# Altium PCB P22296-1-DES-1.2.PcbDoc (part 2 of 5)
Units mm, origin at the board's own origin, x right, y up, seen from the top; angles counter-clockwise.
Board outline 77.01 x 108 mm, 6 copper layers (Top Layer, Layer 1, Layer 2, Layer 3, Layer 4, Bottom Layer), stack 1.821 mm thick; 445 components, 260 nets, 1371 pads, 965 vias.
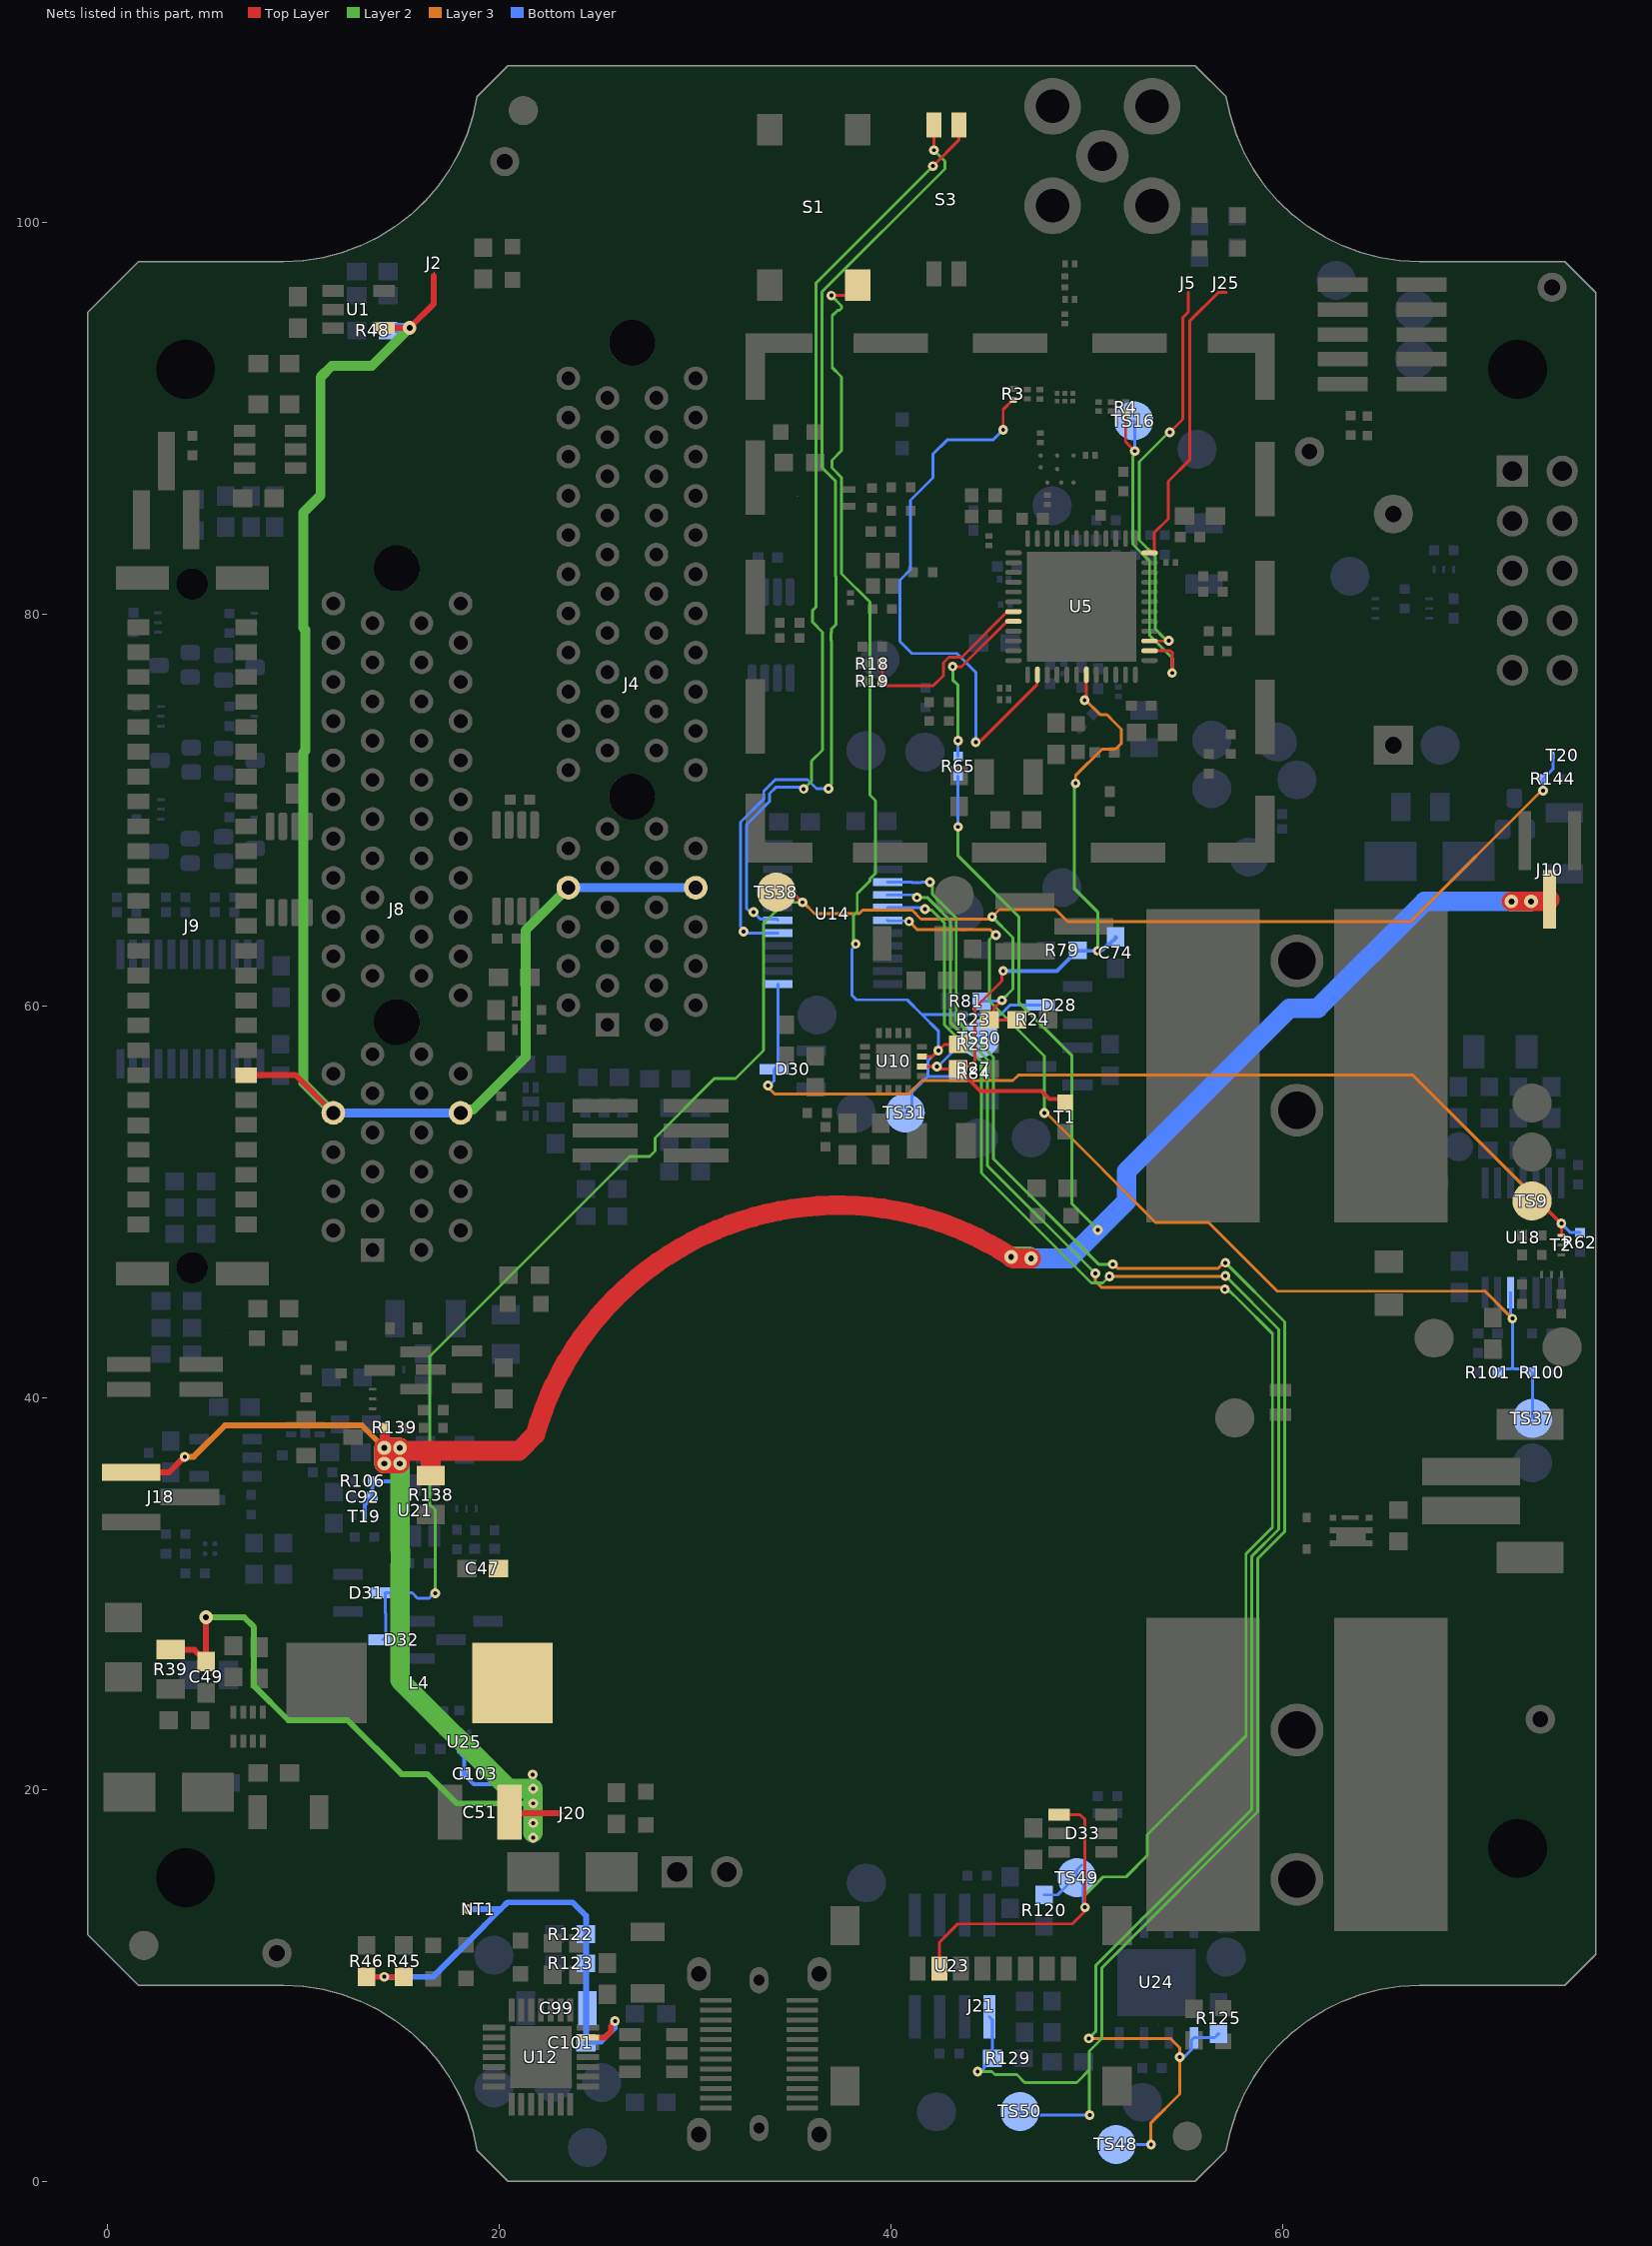
[diagram p6: the nets of this part, all layers, seen from the top]

## Footprints (in the part's own frame and the unit in brackets; to place one, negate y for a bottom-side part, rotate by r counter-clockwise, add the part's x,y. Pads: shape width x height; smd on the part's side, far side on the other; paste and mask are expansions set on the pad) (continued)
QFN-500G000-016 [mm] "QFN, 16-Leads, Body 3,00x3,00mm"
  rect 0.52x0.3 smd: 1(-1.45,0.75) 2(-1.45,0.25) 3(-1.45,-0.25) 4(-1.45,-0.75) 9(1.45,-0.75) 10(1.45,-0.25) 11(1.45,0.25) 12(1.45,0.75)
  rect 0.3x0.52 smd: 5(-0.75,-1.45) 6(-0.25,-1.45) 7(0.25,-1.45) 8(0.75,-1.45) 13(0.75,1.45) 14(0.25,1.45) 15(-0.25,1.45) 16(-0.75,1.45)
  rect 1.8x1.8 smd: 17(0,0)
  silkscreen extent -2.45,-1.68 1.68,1.68, body extent -1.53,-1.53 1.53,1.53, height 0.9
QFN-500G000-048 [mm] "UFQFN, 48-Leads, Body 7,00x7,00mm, Pitch 0,50mm, Thermal Pad 5,60x5,60mm, IPC Medium Density"
  oval 0.85x0.25 smd mask+0.088: 1(-3.475,2.75) 2(-3.475,2.25) 3(-3.475,1.75) 4(-3.475,1.25) 5(-3.475,0.75) 6(-3.475,0.25) 7(-3.475,-0.25) 8(-3.475,-0.75) 9(-3.475,-1.25) 10(-3.475,-1.75) 11(-3.475,-2.25) 12(-3.475,-2.75) 25(3.475,-2.75) 26(3.475,-2.25) 27(3.475,-1.75) 28(3.475,-1.25) 29(3.475,-0.75) 30(3.475,-0.25) 31(3.475,0.25) 32(3.475,0.75) 33(3.475,1.25) 34(3.475,1.75) 35(3.475,2.25) 36(3.475,2.75)
  oval 0.25x0.85 smd mask+0.088: 13(-2.75,-3.475) 14(-2.25,-3.475) 15(-1.75,-3.475) 16(-1.25,-3.475) 17(-0.75,-3.475) 18(-0.25,-3.475) 19(0.25,-3.475) 20(0.75,-3.475) 21(1.25,-3.475) 22(1.75,-3.475) 23(2.25,-3.475) 24(2.75,-3.475) 37(2.75,3.475) 38(2.25,3.475) 39(1.75,3.475) 40(1.25,3.475) 41(0.75,3.475) 42(0.25,3.475) 43(-0.25,3.475) 44(-0.75,3.475) 45(-1.25,3.475) 46(-1.75,3.475) 47(-2.25,3.475) 48(-2.75,3.475)
  rect 5.6x5.6 smd paste-2539.97 mask+0.088: 49(0,0)
  silkscreen extent -4.47,-3.7 3.7,3.7, body extent -3.55,-3.55 3.55,3.55, height 0.6
RES-000G001-002 [mm] "R0201 reflow"
  rect 0.32x0.36 smd mask+0.05: 1(-0.28,0) 2(0.28,0)
  silkscreen extent -0.15,-0.25 0.15,0.25, body extent -0.3,-0.15 0.3,0.15, height 0.15
RESC1005X04N [mm] "0402 Chip Resistor, 2-Leads, Body 1,02x0,5mm, IPC Medium Density"
  rect 0.5x0.5 smd: 1(-0.5,0) 2(0.5,0)
  silkscreen extent -0.4,-0.3 0.4,0.3, body extent -0.51,-0.25 0.51,0.25, height 0.37
RESC1005x04N [mm] "0402 Chip Resistor, 2-Leads, Body 1,02x0,5mm, IPC Medium Density"
  rect 0.5x0.5 smd: 1(-0.5,0) 2(0.5,0)
  silkscreen extent -0.4,-0.3 0.4,0.3, body extent -0.51,-0.25 0.51,0.25, height 0.37
RESC1608X13N [mm] "0603 Chip Resistor, Body 1,60x0,80mm, IPC Medium Density"
  rect 0.95x0.9 smd: 1(-0.8,0) 2(0.8,0)
  silkscreen extent -0.5,-0.52 0.5,0.52, body extent -0.8,-0.4 0.8,0.4, height 0.47
RESC2013X14M [mm] "0805 Chip Resistor, 2-Leads, Body 2,00x1,30mm, IPC Low Density"
  rect 1.15x1.45 smd: 1(-1.1,0) 2(1.1,0)
  silkscreen extent -0.7,-0.85 0.7,0.85, body extent -1,-0.63 1,0.63, height 0.52
RESC2013X14N [mm] "0805 Chip Resistor 2-Leads, Body 2,00x1,30mm, IPC Medium Density"
  rect 1x1.45 smd: 1(-1,0) 2(1,0)
  silkscreen extent -0.7,-0.85 0.7,0.85, body extent -1,-0.62 1,0.63, height 0.52
RESC3116X13L [mm] "1206 Chip Resistor, Body 3.2x1.6mm, IPC High Density"
  rect 1.1x1.7 smd: 1(-1.35,0) 2(1.35,0)
  silkscreen extent -0.9,-0.95 0.9,0.95, body extent -1.6,-0.8 1.6,0.8, height 0.62
RESC3116X13N [mm] "1206 Chip Resistor, Body 3,10x1,60mm, IPC Medium Density"
  rect 1x1.9 smd: 1(-1.55,0) 2(1.55,0)
  silkscreen extent -0.9,-0.95 0.9,0.95, body extent -1.6,-0.8 1.6,0.8, height 0.62
SHLD-000G000 [mm] "shield"
  rect 1x3.41 smd: 1(-13.005,11.8) 1(-13.005,-11.8) 1(13.005,11.7) 1(13.005,-11.8)
  rect 1x3.8 smd: 1(-13.005,-6.074) 1(-13.005,0.002) 1(-13.005,6.079) 1(13.005,-6.136) 1(13.005,-0.039) 1(13.005,6.058)
  rect 3.41x1 smd: 1(-11.8,13.005) 1(-11.8,-13.005) 1(11.8,13.005) 1(11.8,-13.005)
  rect 3.8x1 smd: 1(-6.086,-13.005) 1(-6.024,13.005) 1(0.011,-13.005) 1(0.052,13.005) 1(6.108,-13.005) 1(6.129,13.005)
  silkscreen extent -13.8,-13.8 14.32,13.8, body extent -13.11,-13.11 13.11,13.11, height 5.08
SMD-000G001-002 [mm] "Footprint voor ALS-PT19-315C/L177/TR8"
  rect 0.8x0.8 smd: 1(-0.75,0) 2(0.75,0)
  silkscreen extent -1.55,-0.6 1.1,0.8, body extent -0.85,-0.4 0.85,0.4, height 0.56
SODFL16080X62N [mm] "SOD-523"
  rect 0.5x0.6 smd: A(0.7,0) C(-0.7,0)
  silkscreen extent -1.1,-0.45 0.6,0.45, body extent -0.85,-0.45 0.85,0.45, height 0.73
"Solderbridge NC" [mil] "Solderbridge - Normally Connected"
  round 1 smd mask+0: 1(-18.7,0) 2(18.7,0)
  Top Layer region: -6.06,-3.93 6.73,-3.93 6.73,3.94 -6.06,3.94
  Top Layer region: -3.94,-29.53 -16.75,-26.6 -27.02,-18.41 -32.72,-6.57 -32.72,6.57 -27.02,18.41 -16.75,26.6 -3.94,29.53 -3.94,29.53
  Top Layer region: 3.94,29.53 16.75,26.6 27.02,18.41 32.72,6.57 32.72,-6.57 27.02,-18.41 16.75,-26.6 3.94,-29.53 3.94,-29.53
"Solderbridge NO" [mil] "Solderbridge - Normally Open"
  round 1 smd mask+4: 1(-18.7,0) 2(18.7,0)
  Top Layer region: 3.94,29.53 16.75,26.6 27.02,18.41 32.72,6.57 32.72,-6.57 27.02,-18.41 16.75,-26.6 3.94,-29.53 3.94,-29.53
  Top Layer region: -3.94,-29.53 -16.75,-26.6 -27.02,-18.41 -32.72,-6.57 -32.72,6.57 -27.02,18.41 -16.75,26.6 -3.94,29.53 -3.94,29.53
SON127P500X600X60-9N [mm]
  rrect25% 1.1x0.44 smd: 1(-2.815,1.905) 2(-2.815,0.635) 3(-2.815,-0.635) 4(-2.815,-1.905) 5(2.815,-1.905) 6(2.815,-0.635) 7(2.815,0.635) 8(2.815,1.905)
  rect 3.4x4 smd paste-3: 9(0,0)
  silkscreen extent -4.21,-2.5 3,2.5, body extent -3,-2.5 3,2.5, height 0.6
SOP-120G001-008 [mm] "SO8 150mil reflow"
  rect 2.2x0.6 smd: 1(-2.6,1.905) 2(-2.6,0.635) 3(-2.6,-0.635) 4(-2.6,-1.905) 5(2.6,-1.905) 6(2.6,-0.635) 7(2.6,0.635) 8(2.6,1.905)
  silkscreen extent -2.82,-2.5 1.1,3, body extent -3.1,-2.5 3.1,2.5, height 1.75
SOP-650G001-014 [mm] "TSOP, 16-Leads, Body 5,00x4,40mm, Pitch 0,65mm, IPC Medium Density"
  rect 1.6x0.35 smd: 1(-2.8,1.95) 2(-2.8,1.3) 3(-2.8,0.65) 4(-2.8,0) 5(-2.8,-0.65) 6(-2.8,-1.3) 7(-2.8,-1.95) 9(2.8,-1.3) 10(2.8,-0.65) 11(2.8,0) 12(2.8,0.65) 13(2.8,1.3) 14(2.8,1.95)
  rect 1.6x0.35 smd paste+0: 8(2.8,-1.95)
  silkscreen extent -2.25,-2.55 2.25,3.5, body extent -3.2,-2.5 3.2,2.5, height 1.1
SOP-650001-024 [mm] "TSSOP24 P0.65 7.8x4.4"
  rect 1.5x0.4 smd mask+0.05: 1(-2.8,3.575) 2(-2.8,2.925) 3(-2.8,2.275) 4(-2.8,1.625) 5(-2.8,0.975) 6(-2.8,0.325) 7(-2.8,-0.325) 8(-2.8,-0.975) 9(-2.8,-1.625) 10(-2.8,-2.275) 11(-2.8,-2.925) 12(-2.8,-3.575) 13(2.8,-3.575) 14(2.8,-2.925) 15(2.8,-2.275) 16(2.8,-1.625) 17(2.8,-0.975) 18(2.8,-0.325) 19(2.8,0.325) 20(2.8,0.975) 21(2.8,1.625) 22(2.8,2.275) 23(2.8,2.925) 24(2.8,3.575)
  silkscreen extent -3.65,-3.9 2.2,4.55, body extent -3.2,-3.94 3.2,3.95, height 1.15
SOP-650002-008 [mm] "SSOP8  P0.65 3x3"
  rrect50% 1.4x0.45 smd: 1(-2.2,0.975) 2(-2.2,0.325) 3(-2.2,-0.325) 4(-2.2,-0.975) 5(2.2,-0.975) 6(2.2,-0.325) 7(2.2,0.325) 8(2.2,0.975)
  silkscreen extent -2.32,-1.55 1.5,1.87, body extent -2.5,-1.5 2.5,1.5, height 0.92
SOT95P245X110-3N [mm] "SOT23, 3-Leads, Body 2,90x2,45mm, Pitch 0,95mm, IPC Medium Density"
  rect 1.5x0.55 smd: A(-0.95,0.95) C(0.95,0) NC(-0.95,-0.95)
  silkscreen extent 0.2,-1.5 0.7,1.5, body extent -1.39,-1.5 1.25,1.5, height 1.08
SOT95P245X110_GSD-3N [mm] "SOT23, 3-Leads, Body 3,0x2,6mm (max), Pitch 0,95mm, IPC Medium Density"
  rect 1.55x0.55 smd: D(0.925,0) G(-0.925,0.95) S(-0.925,-0.95)
  silkscreen extent 0.3,-1.5 0.7,1.5, body extent -1.32,-1.5 1.32,1.5, height 1.08
SOT95P280X110-6N [mm] "SOT23, 6-Leads, Body 2.9x1.7mm, Pitch 0.95mm, Lead Span 2.8mm, IPC Medium Density"
  rect 1.1x0.65 smd: 1(-1.2,0.95) 2(-1.2,0) 3(-1.2,-0.95) 4(1.2,-0.95) 5(1.2,0) 6(1.2,0.95)
  silkscreen extent -1.33,-1.55 0.5,1.95, body extent -1.4,-1.46 1.4,1.46, height 1.4
SOT95P280X115-5N [mm] "SOT23, 5-Leads, Body 2,92x2,80mm, Pitch 0,95mm, IPC Medium Density"
  rect 1x0.55 smd: 1(-1.35,0.95) 2(-1.35,0) 3(-1.35,-0.95) 4(1.35,-0.95) 5(1.35,0.95)
  silkscreen extent -0.85,-1.51 0.85,1.51, body extent -1.5,-1.51 1.5,1.51, height 1.15
SOT95P280X145-6N [mm] "SOT23, 6-Leads, Body 2,90x2,80mm, Pitch 0,95mm, IPC Medium Density"
  rect 1.1x0.6 smd: 1(-1.2,0.95) 2(-1.2,0) 3(-1.2,-0.95) 4(1.2,-0.95) 5(1.2,0) 6(1.2,0.95)
  silkscreen extent -1.33,-1.55 0.5,1.92, body extent -1.45,-1.53 1.45,1.53, height 1.3
SOT95P300X145-5N [mm] "SOT23, 5, 3.05x1.75mm, P0.95mm, IPC Medium Density"
  rect 1.1x0.6 smd mask+0.05: 1(-1.3,0.95) 2(-1.3,0) 3(-1.3,-0.95) 4(1.3,-0.95) 5(1.3,0.95)
  silkscreen extent -0.85,-1.51 0.85,1.51, body extent -1.4,-1.45 1.4,1.45, height 1.2
SOT95P300X145-6N [mm] "SOT23, 6, 3.05x1.75mm, P0.95mm, IPC Medium Density"
  rect 1.1x0.6 smd mask+0.05: 1(-1.3,0.95) 2(-1.3,0) 3(-1.3,-0.95) 4(1.3,-0.95) 5(1.3,0) 6(1.3,0.95)
  silkscreen extent -1.85,-1.55 1.65,2.13, body extent -1.4,-1.45 1.4,1.45, height 1.2
SOT-650G001-003 [mm] "SOT323, 3-Leads, Body 2,10x1,3mm, Pitch 0,65mm, IPC Medium Density"
  rrect50% 1x0.8 smd: A1(-0.8,0.65) A2(-0.8,-0.6) C(0.8,0)
  silkscreen extent 0.2,-1.05 0.67,1.05, body extent -1.07,-1 1.03,1, height 0.9
SOT-950G000-003 [mm] "SC-59 Package, SGD Order"
  rect 1x0.8 smd: D(-1.2,-0.95) G(1.2,0) S(-1.2,0.95)
  silkscreen extent 0.3,-1.5 0.7,1.5, body extent -1.56,-1.55 1.44,1.55, height 1.45
SOT-501001-008 [mm] "SOT583"
  rect 0.67x0.3 smd: 1(-0.74,0.75) 2(-0.74,0.25) 3(-0.74,-0.25) 4(-0.74,-0.75) 5(0.74,-0.75) 6(0.74,-0.25) 7(0.74,0.25) 8(0.74,0.75)
  silkscreen extent -1.33,-1.05 0.65,1.55, body extent -0.8,-1.05 0.8,1.05, height 0.6
SW_GDH02S04 [mm]
  rect 0.76x1.27 smd: 1(-0.635,-3.8) 2(0.635,-3.8) 3(0.635,3.8) 4(-0.635,3.8)
  silkscreen extent -2.04,-2.65 2.12,2.65, body extent -1.84,-4.2 1.94,4.2, height 2.33
"testpad 1.5 mm" [mm] "testpad 1.5 mm"
  round 1.5 smd paste-2539.97: 1(0,0)
  silkscreen extent -0.76,-0.76 0.76,0.76
"TESTPAD 2MM" [mm] "Testpad 2 mm"
  round 2 smd paste-2539.97: 1(0,0)
XTL-001G001-004 [mm] "OSC 2.0x1.6mm 4P H0.8"
  rect 0.8x0.7 smd: 1(-0.65,-0.5) 2(0.65,-0.5) 3(0.65,0.5) 4(-0.65,0.5)
  silkscreen extent -1.5,-1.41 1.23,1.02, body extent -1,-0.8 1,0.8, height 0.73

## Part data
B1 B2: library part "BAT HLDRAA/1", "Battery holder for AA cell", ManufactpartCode="KEYSTONE 92-KEY", EngPartGrpMainCode=BAT, PartCode="BAT HLDRAA/1", Preferred=False, SMD_Flag=False, Type="Battery accesoire"
C1 C2 C7 C9: library part "CKE 1N/90", "1nF 50V 10% X7R", ManufactpartCode=GRM033R71H102KA12D-MUR, EngPartGrpMainCode=CAP, PartCode="CKE 1N/90", Preferred=False, SMD_Flag=True, Type="Capacitor ceramic SMD"
C3 C11: library part "CKE 39P/90", "39pF, 50V, 10%", ManufactpartCode=GRM0335C1H390JA01D-MUR, EngPartGrpMainCode=CAP, PartCode="CKE 39P/90", Preferred=False, SMD_Flag=True, Type="Capacitor ceramic SMD"
C4 C59: library part "CKE 10UV10/60", "10uF 10V ±20% X7T", ManufactpartCode=GRM188D71A106MA73D-MUR, EngPartGrpMainCode=CAP, PartCode="CKE 10UV10/60", Preferred=False, SMD_Flag=True, Type="Capacitor ceramic SMD"
C5 C16 C45 C56 C58 C80 C85 C86 C88 C89 C90: library part "CKE 1U/61", "1UF, 25V, 10%, 0603, X7R", ManufactpartCode=CL10B105KA8NNNC-SAM, EngPartGrpMainCode=CAP, PartCode="CKE 1U/61", Preferred=False, SMD_Flag=True, Type="Capacitor ceramic SMD"
C6 C10 C24 C28: library part "CKE 100N/91", "100nF, 10V, X5R", ManufactpartCode=GRM033R61A104KE15D-MUR, EngPartGrpMainCode=CAP, PartCode="CKE 100N/91", Preferred=False, SMD_Flag=True, Type="Capacitor ceramic SMD"
C8 C33 C40 C47 C48 C50 C54 C55 C57 C77 C78 C79 C81 C82 C84 C97 C98 C100 C101 C104: library part "CKE 100N/60", "100nF 50V 10% X7R", ManufactpartCode="2238 586 15649-PHI", EngPartGrpMainCode=CAP, PartCode="CKE 100N/60", Preferred=False, SMD_Flag=True, Type="Capacitor ceramic SMD"
C12: library part "CKE 10P/90", "10pF 50V 5% C0G/NP0", ManufactpartCode=GRM0335C1H100JA01D-MUR, EngPartGrpMainCode=CAP, PartCode="CKE 10P/90", Preferred=False, SMD_Flag=True, Type="Capacitor ceramic SMD"
C13: library part "SC 470MV3.9/10", "0F47 3V9 supercap", ManufactpartCode=PHVL-3R9H474-R-EAT, EngPartGrpMainCode=CAP, PartCode="SC 470MV3.9/10", Preferred=False, SMD_Flag=True, Type="Capacitor electrol. SMD"
C14: library part "R 220E/70", "220ohm 62.5mW 1%", ManufactpartCode=MCWR04X2200FTL-MUP, EngPartGrpMainCode=RES, PartCode="R 220E/70", Preferred=False, SMD_Flag=True, Type="Resistor metalfilm SMD"
C15: library part "CKE 68P/70", "68p 5% 25V C0G NP0", ManufactpartCode=GCM1555C1H680JA16J-MUR, EngPartGrpMainCode=CAP, PartCode="CKE 68P/70", Preferred=False, SMD_Flag=True, Type="Capacitor ceramic SMD"
C17 C22 C29 C32 C35 C36 C39 C44 C60 C61 C62 C63 C68 C69 C72 C75 C76 C87 C91 C93 C95 C103: library part "CKE 100N/70", "100nF, 16V, 10%, X7R", ManufactpartCode=CC0402KRX7R7BB104-YAG, EngPartGrpMainCode=CAP, PartCode="CKE 100N/70", Preferred=False, SMD_Flag=True, Type="Capacitor ceramic SMD"
C18: library part "CKE 100P/91", "100pF, 50V, C0G", ManufactpartCode=GRM0335C1H101GA01D-MUR, EngPartGrpMainCode=CAP, PartCode="CKE 100P/91", Preferred=False, SMD_Flag=True, Type="Capacitor ceramic SMD"
C19 C30 C31: library part "CKE 4U7V10/60", "4.7uF 10% 10V X5R", ManufactpartCode=0603ZD475KAT2A-AVX, EngPartGrpMainCode=CAP, PartCode="CKE 4U7V10/60", Preferred=False, SMD_Flag=True, Type="Capacitor ceramic SMD"
C20: library part "CKE 47N/70", "47NF, 50V, 10%", ManufactpartCode=GCM155R71H473KE02J-MUR, EngPartGrpMainCode=CAP, PartCode="CKE 47N/70", Preferred=False, SMD_Flag=True, Type="Capacitor ceramic SMD"
C21: library part "CKE 10P/70", "10pF, 50V, 5%, NP0", ManufactpartCode=CC0402JRNPO9BN100-YAG, EngPartGrpMainCode=CAP, PartCode="CKE 10P/70", Preferred=False, SMD_Flag=True, Type="Capacitor ceramic SMD"
C23 C27 C64 C66 C70 C73: library part "CKE 33P/90", "33pF, 25V, 5%", ManufactpartCode=GJM0335C1E330JB01D-MUR, EngPartGrpMainCode=CAP, PartCode="CKE 33P/90", Preferred=False, SMD_Flag=True, Type="Capacitor ceramic SMD"
C25: library part "CKE 10N/90", "10nF, 10V, X7R", ManufactpartCode=C0603X7R1A103K030BA-TDK, EngPartGrpMainCode=CAP, PartCode="CKE 10N/90", Preferred=False, SMD_Flag=True, Type="Capacitor ceramic SMD"
C26: library part "CKE 10UV50/10", "10uF 50V 20% X5R", ManufactpartCode="GRM31CR61H106KA12L -MUR", EngPartGrpMainCode=CAP, PartCode="CKE 10UV50/10", Preferred=False, SMD_Flag=True, Type="Capacitor ceramic SMD"
C34 C37: library part "CKE 6P8/60", "6p8 +-0.5p 25V NP0", ManufactpartCode=GRM1885C1H6R8DA01D-MUR, EngPartGrpMainCode=CAP, PartCode="CKE 6P8/60", Preferred=False, SMD_Flag=True, Type="Capacitor ceramic SMD"
C38: library part "CKE 100UV6.3/10", "100uF 20% 6.3VX5R", ManufactpartCode=GRM31CR60J107ME39L-MUR, EngPartGrpMainCode=CAP, PartCode="CKE 100UV6.3/10", Preferred=False, SMD_Flag=True, Type="Capacitor ceramic SMD"
C41 C83: library part "CKE 1U/60", "1UF, 10V, 10%, 0603, X5R", ManufactpartCode=0603ZD105KAT2A-AVX, EngPartGrpMainCode=CAP, PartCode="CKE 1U/60", Preferred=False, SMD_Flag=True, Type="Capacitor ceramic SMD"
C42 C74: library part "CKE 100N/60", "100nF 50V 10% X7R", ManufactpartCode=CC0603KRX7R9BB104-YAG, EngPartGrpMainCode=CAP, PartCode="CKE 100N/60", Preferred=False, SMD_Flag=True, Type="Capacitor ceramic SMD"
C43 C49: library part "CKE 47P/60", "47p 50V 5% NP0", ManufactpartCode=CC0603JRNPO9BN470-YAG, EngPartGrpMainCode=CAP, PartCode="CKE 47P/60", Preferred=False, SMD_Flag=True, Type="Capacitor ceramic SMD"
C46: library part "CKE 270P/70", "270pF, 25V, 5% COG", ManufactpartCode=CC0402JRNPO8BN271-YAG, EngPartGrpMainCode=CAP, PartCode="CKE 270P/70", Preferred=False, SMD_Flag=True, Type="Capacitor ceramic SMD"
C51: library part "CKE 47UV16/15", "47uF 16V 20% X5R", ManufactpartCode=EMK325BJ476MM-P-TAI, EngPartGrpMainCode=CAP, PartCode="CKE 47UV16/15", Preferred=False, SMD_Flag=True, Type="Capacitor ceramic SMD"
C52 C53 C99: library part "CKE 4U7V50/10", "4.7uF 50V 20% X5R", ManufactpartCode=C1206C475M5PAC-KEM, EngPartGrpMainCode=CAP, PartCode="CKE 4U7V50/10", Preferred=False, SMD_Flag=True, Type="Capacitor ceramic SMD"
C65 C92 C94: library part "CKE 10NV25/70", "10nF, 25V 10%", ManufactpartCode=04023C103KAT2A-AVX, EngPartGrpMainCode=CAP, PartCode="CKE 10NV25/70", Preferred=False, SMD_Flag=True, Type="Capacitor ceramic SMD"
C67: library part "CKE 470NV16/60", "470nF 16V ±10% X5R", ManufactpartCode=CC0603KRX5R7BB474-YAG, EngPartGrpMainCode=CAP, PartCode="CKE 470NV16/60", Preferred=False, SMD_Flag=True, Type="Capacitor ceramic SMD"
C71: library part "CKE 33P/70", "33pF, 50V, 5%, COG", ManufactpartCode=223886915339-YAG, EngPartGrpMainCode=CAP, PartCode="CKE 33P/70", Preferred=False, SMD_Flag=True, Type="Capacitor ceramic SMD"
C96: library part "CKE 68N/11", "68nF 50V 10%", ManufactpartCode=C0805C683K5RECAUTO-KEM, EngPartGrpMainCode=CAP, PartCode="CKE 68N/11", Preferred=False, SMD_Flag=True, Type="Capacitor ceramic SMD"
C102: library part "CKE 10UV16/60", "10uF 16V ±10% X5R", ManufactpartCode=GRM188R61C106KAALD-MUR, EngPartGrpMainCode=CAP, PartCode="CKE 10UV16/60", Preferred=False, SMD_Flag=True, Type="Capacitor ceramic SMD"
D1 D3 D4 D5 D6 D9 D14 D16 D18 D19: library part "LED SMDG/16", "Led Groen 0603", ManufactpartCode=150060VS75003-WE, EngPartGrpMainCode=OPTO, PartCode="LED SMDG/16", Preferred=False, SMD_Flag=True, Type="LED SMD"
D2 D17: library part "LED SMDO/3", "Led Orange 0603", ManufactpartCode=150060AS75000-WE, EngPartGrpMainCode=OPTO, PartCode="LED SMDO/3", Preferred=False, SMD_Flag=True, Type="LED SMD"
D7 D8: library part "DIO BAS716", "BAS716 85V 200mA", ManufactpartCode=BAS716,115-NEX, EngPartGrpMainCode=DIO, PartCode="DIO BAS716", Preferred=False, SMD_Flag=True, Type="Diode SMD"
D10: library part "DIO D4V5H1U2LP", "TVS diode 4,5V unidirec", ManufactpartCode=D4V5H1U2LP1610-7-DIO, EngPartGrpMainCode=DIO, PartCode="DIO D4V5H1U2LP", Preferred=False, SMD_Flag=True, Type="Diode suppressor SMD"
D11: library part "DIO RB530SM-30T", "30V 200mA", ManufactpartCode=RB530SM-30T2R-RO, EngPartGrpMainCode=DIO, PartCode="DIO RB530SM-30T", Preferred=False, SMD_Flag=True, Type="Diode schottky SMD"
D12: library part "DIO PESD5V0V1BB", "TVS diode 5V bidirec", ManufactpartCode=PESD5V0V1BB-QX-NEX, EngPartGrpMainCode=DIO, PartCode="DIO PESD5V0V1BB", Preferred=False, SMD_Flag=True, Type="Diode suppressor SMD"
D13 D15 D27: library part "DIO B340A", "40V, 3A", ManufactpartCode=B340A-13-F-DIO, EngPartGrpMainCode=DIO, PartCode="DIO B340A", Preferred=False, SMD_Flag=True, Type="Diode schottky SMD"
D20: library part "DIO USBLC6", "USB2 protector, 15kV/8kV", ManufactpartCode=USBLC6-2SC6-STM, EngPartGrpMainCode=DIO, PartCode="DIO USBLC6", Preferred=False, SMD_Flag=True, Type="TVS diode array SMD"
D21 D22 D23 D24 D25 D26: "RB508, 40V, 80mA 2 com cat dio", ManufactpartCode=RB508FM-40CFHT106-RO, EngPartGrpMainCode=DIO, PartCode="DIO RB508FM-40C", Preferred=False, SMD_Flag=True, Type="Diode SMD"
D28 D29 D30 D31 D32: library part "DIO MMBD701LT1G", "70V Low leakage 200nA", ManufactpartCode=MMBD701LT1G-ONS, EngPartGrpMainCode=DIO, PartCode="DIO MMBD701LT1G", Preferred=False, SMD_Flag=True, Type="Diode schottky SMD"
D33: library part "DIO SRV05-4", "quadruple  Hi speed clamp,5V", ManufactpartCode="SRV05-4.TCT -SEM", EngPartGrpMainCode=DIO, PartCode="DIO SRV05-4", Preferred=False, SMD_Flag=True, Type="TVS diode array SMD"
D34: library part "DIO RB508FM-40C", "RB508, 40V, 80mA 2 com cat dio", ManufactpartCode=RB508FM-40CFHT106-RO, EngPartGrpMainCode=DIO, PartCode="DIO RB508FM-40C", Preferred=False, SMD_Flag=True, Type="Diode SMD"
F1: library part "FUSE 2AT/3", "2A High inrush SMD", ManufactpartCode=SF-0603HI200F-2-BRN, EngPartGrpMainCode=FUSE, PartCode="FUSE 2AT/3", Preferred=False, SMD_Flag=True, Type="Fuse SMD"
J1: library part "CON SMAFS/1", "SMA Fem PCB vertical", ManufactpartCode=73391-0070-MOL, EngPartGrpMainCode=CONN, PartCode="CON SMAFS/1", Preferred=False, SMD_Flag=False, Type="Connector HF"
J2 J7 J13 J14 J15 J20 J23: library part SolderbridgeNO, "Solderbridge  - Normally Open"
J3: library part "CON PHDR2X5S/10", "pinh 2x5/straight/Au/1.27pitch", ManufactpartCode=M50-3600542-HAR, EngPartGrpMainCode=CONN, PartCode="CON PHDR2X5S/10", Preferred=False, SMD_Flag=True, Type="Connector pinhdr SMD"
J4 J8: library part "CON BTOB64S/1", "PCIE x4 64pos", ManufactpartCode=8-1734774-1-TEC, EngPartGrpMainCode=CONN, PartCode="CON BTOB64S/1", Preferred=False, SMD_Flag=False, Type="Connector various"
J5 J25 J27: library part SolderbridgeNC, "Solderbridge  - Normally Connected"
J6 J10 J11 J18: library part "CON PHDR1X3S/11", "pinh 1x3/straight/Au/1.27pitch", ManufactpartCode=M50-3630342-HAR, EngPartGrpMainCode=CONN, PartCode="CON PHDR1X3S/11", Preferred=False, SMD_Flag=True, Type="Connector pinhdr SMD"
J9: library part "CON BTOB50S/2", "2x25p socket 1.27mm straight", ManufactpartCode=651-1373889-PHX, EngPartGrpMainCode=CONN, PartCode="CON BTOB50S/2", Preferred=False, SMD_Flag=True, Type="Connector Board to Board SMD"
J12: library part "CON PHDR2X3S/4", "2x3/straight/Au/1.27mm", ManufactpartCode=20021121-00006T4LF-AMH, EngPartGrpMainCode=CONN, PartCode="CON PHDR2X3S/4", Preferred=False, SMD_Flag=True, Type="Connector pinhdr SMD"
J16: library part "CON JSTB2BPHSM4", "JST PH 2p top entry 2A SMD", ManufactpartCode=B2B-PH-SM4-TB(LF)(SN)-JST, EngPartGrpMainCode=CONN, PartCode="CON JSTB2BPHSM4", Preferred=False, SMD_Flag=True, Type="Connector Boxed Header SMD"
J17: library part "CON PHDR2X2S/11", "pinh 2x2/straight/Au/1.27pitch", ManufactpartCode=GRPB022VWQS-RC-SUL, EngPartGrpMainCode=CONN, PartCode="CON PHDR2X2S/11", Preferred=False, SMD_Flag=True, Type="Connector pinhdr SMD"
J19: library part "CON PHDR2X5S/5", "pinh 2x5/straight/h=6.7/Au", ManufactpartCode=826632-5-TYC, EngPartGrpMainCode=CONN, PartCode="CON PHDR2X5S/5", Preferred=False, Remark="CON PHDR2X36S/1 Part", SMD_Flag=False, Type="Connector Pinheader"
J21: library part "CON SD/15", "micro SD card hinged", ManufactpartCode=MEM2067-02-180-00-A-GCT, EngPartGrpMainCode=CONN, PartCode="CON SD/15", Preferred=False, SMD_Flag=True, Type="Connector SD/MMC SMD"
J22: library part "CON USB-C/4", "USB C vertical entry", ManufactpartCode=USB-C31-S-VT-CS4-BK-PP-T/R-ADT, EngPartGrpMainCode=CONN, PartCode="CON USB-C/4", Preferred=False, SMD_Flag=True, Type="Connector USB SMD"
J24: library part "CON PHDR1X2S/1", "pinh 1x2/straight/h=5.8/Au", ManufactpartCode=0-826629-2-TEC, EngPartGrpMainCode=CONN, PartCode="CON PHDR1X2S/1", Preferred=False, SMD_Flag=False, Type="Connector Pinheader"
L1: library part "IND 3N9/70", "3.9nH 0.1nH 750mA", ManufactpartCode=LQW15AN3N9B00D-MUR, EngPartGrpMainCode=IND, PartCode="IND 3N9/70", Preferred=False, SMD_Flag=True, Type="Inductor choke SMD"
L2: library part "IND 47N 0A21/70", "47n 2% 210mA", ManufactpartCode=LQW15AN47NG00-MUR, EngPartGrpMainCode=IND, PartCode="IND 47N 0A21/70", Preferred=False, SMD_Flag=True, Type="Inductor choke SMD"